# KiCad board FrontEnd_5G.kicad_pcb (continued)
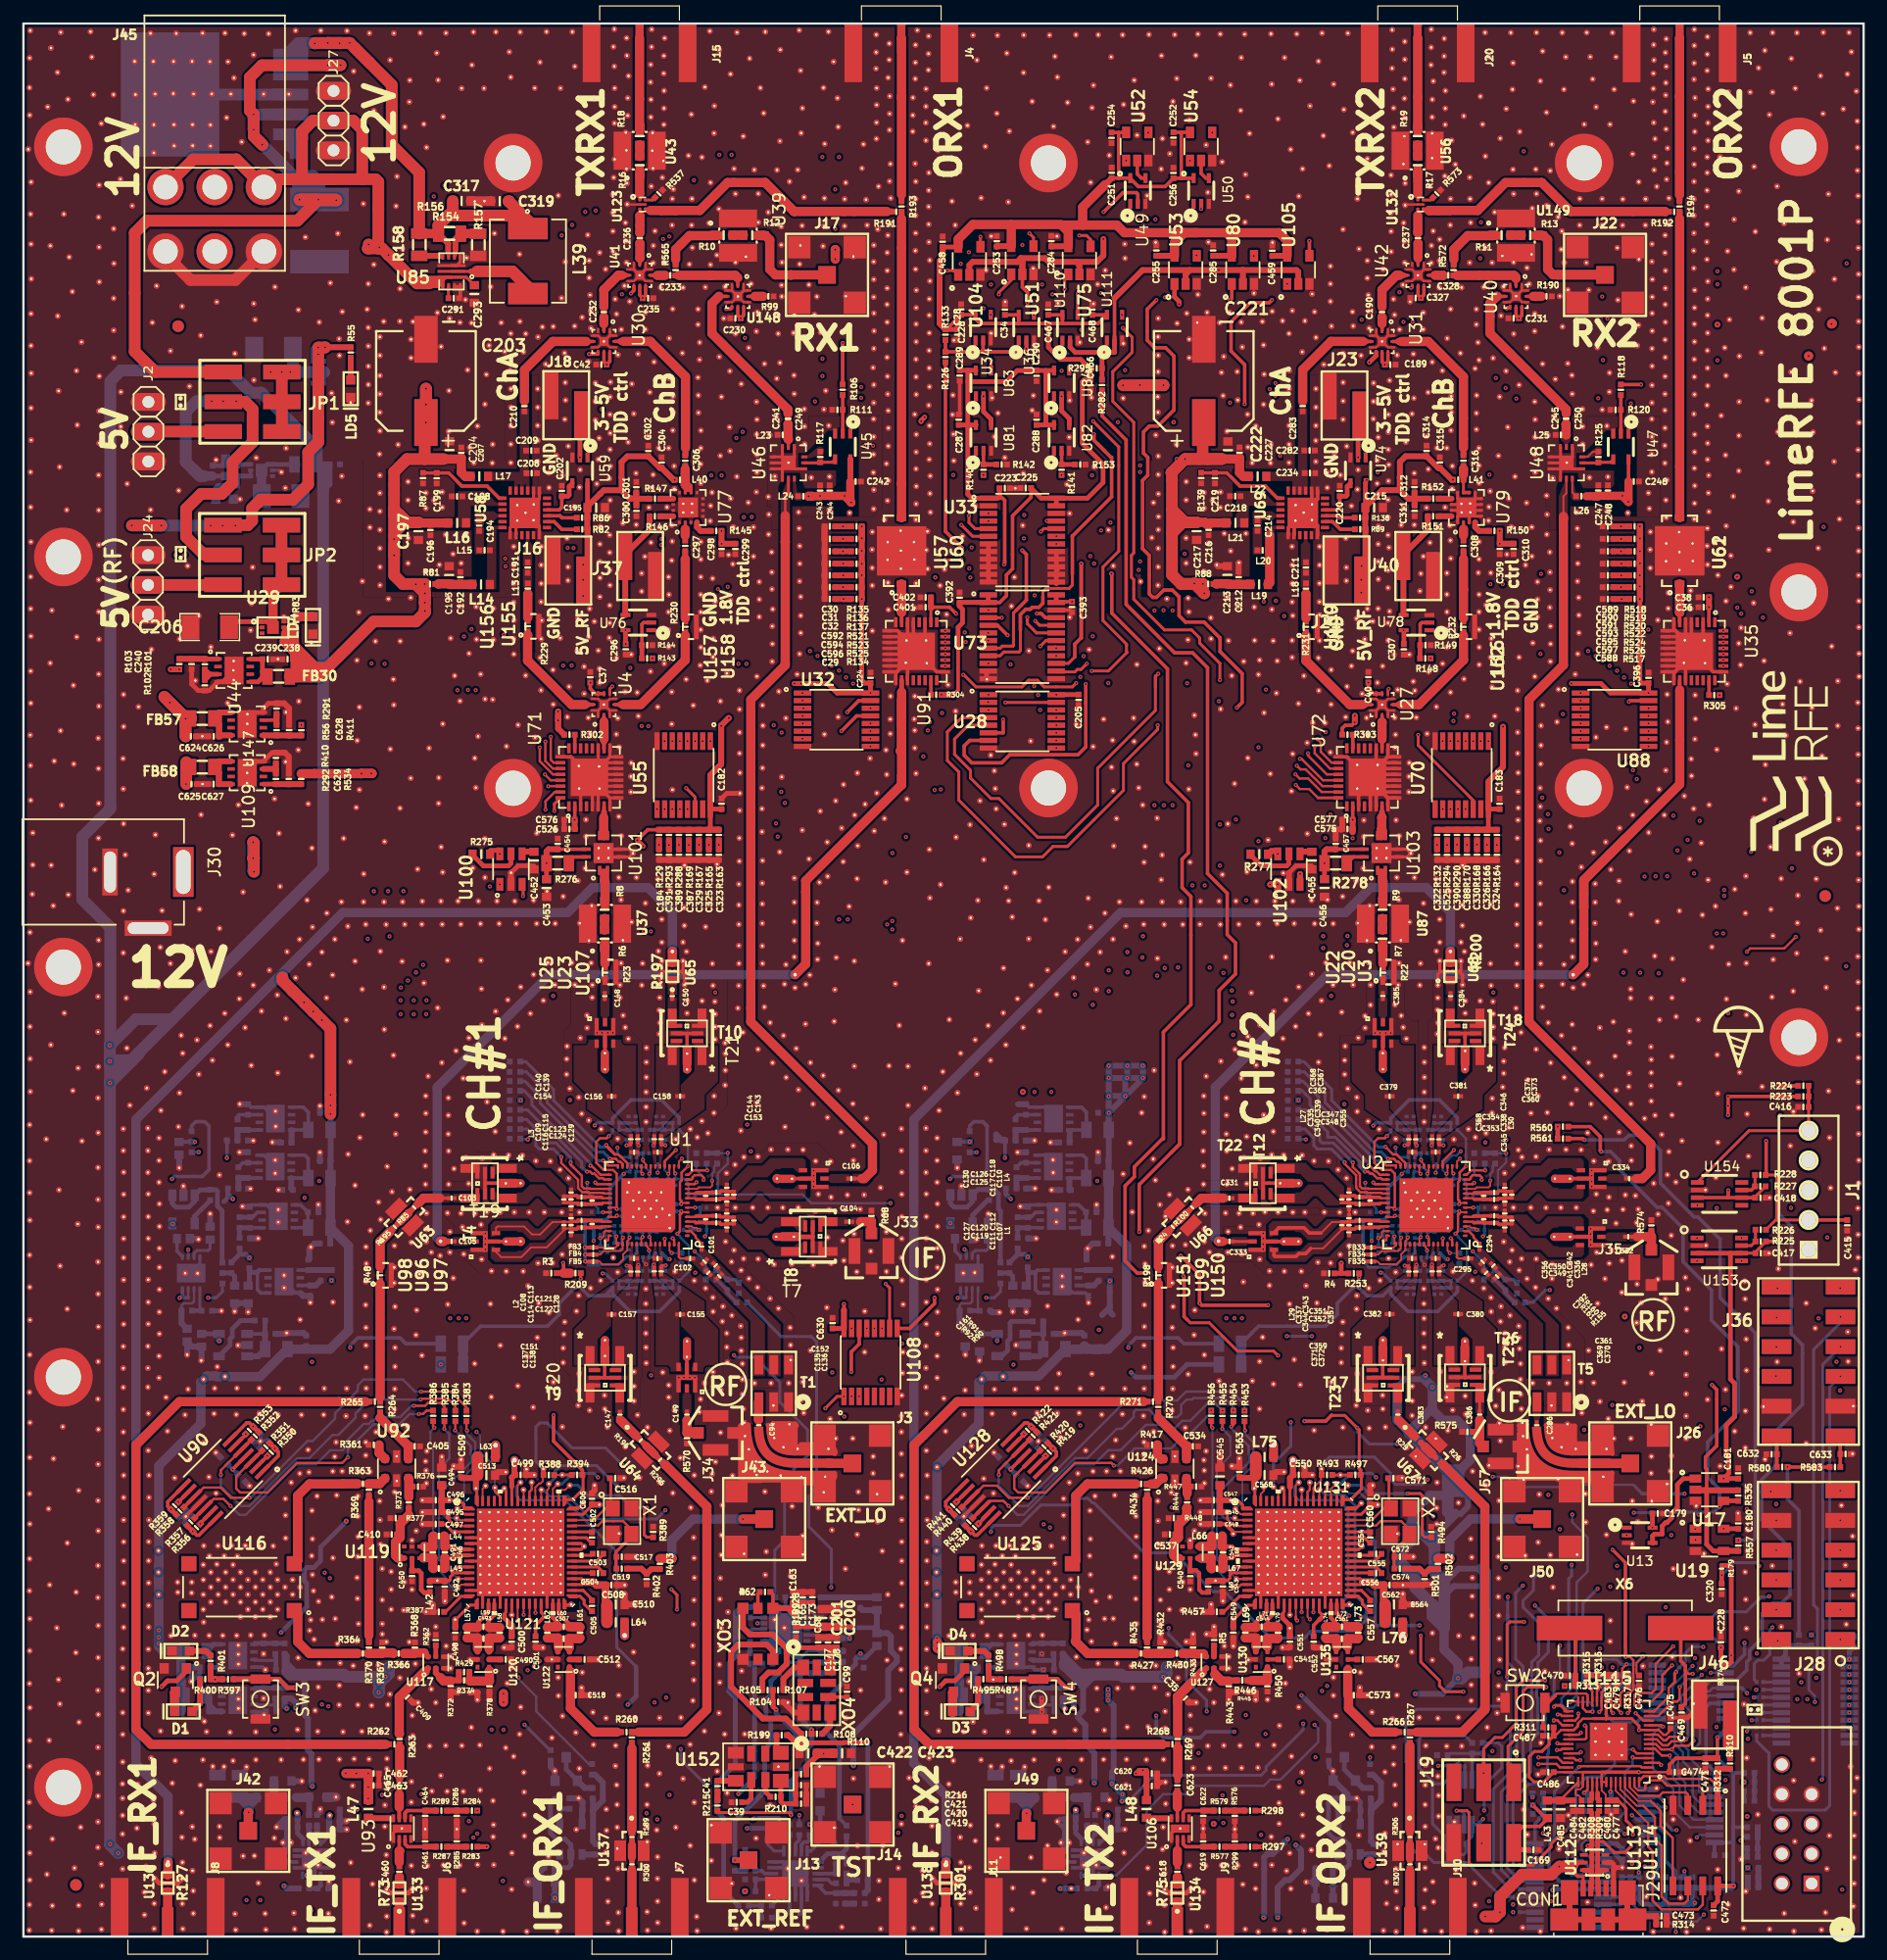
[diagram p0: board, top side]
## Placement (name value [footprint] x y rotation side) (continued)
C321  10nF_0402  [SMD0402]  129.34 10.46 180 bottom
C322  10nF_0402  [SMD0402]  120.71 92.33 90 top
C323  10nF_0402  [SMD0402]  59.38 92.32 90 top
C324  10nF_0402  [SMD0402]  125.82 92.32 90 top
C325  10nF_0402  [SMD0402]  58.53 92.33 90 top
C326  10nF_0402  [SMD0402]  124.97 92.33 90 top
C327  10nF_0402  [SMD0402]  118.88 139.84 0 top
C328  5pF_0402_CBR04C509C5GAC  [SMD0402]  121.67 141.77 180 top
C329  10nF_0402  [SMD0402]  57.68 92.33 90 top
C330  10nF_0402  [SMD0402]  124.12 92.33 90 top
C331  10pF_0201_GJM0335C1E100JB01D  [SMD0201]  102.98 63.02 0 top
C332  2.3pF_0201_GJM0335C1E2R3BB01D  [SMD0201]  137.03 59.73 180 top
C333  2.3pF_0201_GJM0335C1E2R3BB01D  [SMD0201]  103 59.33 0 top
C334  2.3pF_0201_GJM0335C1E2R3BB01D  [SMD0201]  137.11 64.69 180 top
C335  C_NF  [SMD0201]  113.19 62.91 270 top
C336  C  [SMD0201]  126.49 61.11 90 top
C337  C_NF  [SMD0201]  113.19 60.71 270 top
C338  C_NF  [SMD0201]  126.49 63.31 90 top
C339  C_NF  [SMD0201]  113.19 63.51 270 top
C340  C_NF  [SMD0201]  113.19 62.31 270 top
C341  0.9pF_0201_GJM0335C1ER90BB01D  [SMD0201]  126.49 60.51 90 top
C342  0.9pF_0201_GJM0335C1ER90BB01D  [SMD0201]  126.49 61.71 90 top
C343  0.9pF_0201_GJM0335C1ER90BB01D  [SMD0201]  113.19 61.31 270 top
C344  0.9pF_0201_GJM0335C1ER90BB01D  [SMD0201]  113.19 60.1 270 top
C345  0.9pF_0201_GJM0335C1ER90BB01D  [SMD0201]  126.49 62.71 90 top
C346  0.9pF_0201_GJM0335C1ER90BB01D  [SMD0201]  126.49 63.91 90 top
C347  2.3pF_0201_GJM0335C1E2R3BB01D  [SMD0201]  114.08 63.11 0 top
C348  2.3pF_0201_GJM0335C1E2R3BB01D  [SMD0201]  114.09 62.51 0 top
C349  0.5pF_0201_GJM0335C1ER50BB01D  [SMD0201]  125.59 60.91 180 top
C350  0.5pF_0201_GJM0335C1ER50BB01D  [SMD0201]  125.59 61.51 180 top
C351  0.5pF_0201_GJM0335C1ER50BB01D  [SMD0201]  114.09 61.11 0 top
C352  0.5pF_0201_GJM0335C1ER50BB01D  [SMD0201]  114.09 60.51 0 top
C353  0.5pF_0201_GJM0335C1ER50BB01D  [SMD0201]  125.59 62.91 180 top
C354  0.5pF_0201_GJM0335C1ER50BB01D  [SMD0201]  125.59 63.51 180 top
C355  0.6pF_0201_GJM0335C1ER60BB01D  [SMD0201]  114.99 62.81 270 top
C356  C_NF  [SMD0201]  124.69 61.21 90 top
C357  C_NF  [SMD0201]  114.99 60.81 270 top
C358  C_NF  [SMD0201]  124.69 63.21 90 top
C359  C_NF  [SMD0201]  118.58 57.87 0 top
C360  C_NF  [SMD0201]  120.59 66.95 180 top
C361  C_NF  [SMD0201]  120.59 57.87 0 top
C362  C_NF  [SMD0201]  118.59 66.95 180 top
C363  1UF_0201_TDK_X5R  [SMD0201]  120.48 55.09 270 bottom
C364  1UF_0201_TDK_X5R  [SMD0201]  120.47 69.71 90 bottom
C365  1UF_0201_TDK_X5R  [SMD0201]  118.71 69.71 90 bottom
C366  1UF_0201_TDK_X5R  [SMD0201]  118.73 55.09 270 bottom
C367  10pF_0201_GJM0335C1E100JB01D  [SMD0201]  118.88 68.04 90 top
C368  10pF_0201_GJM0335C1E100JB01D  [SMD0201]  118.3 68.04 90 top
C369  10pF_0201_GJM0335C1E100JB01D  [SMD0201]  120.29 56.77 270 top
C370  10pF_0201_GJM0335C1E100JB01D  [SMD0201]  120.88 56.77 270 top
C371  10pF_0201_GJM0335C1E100JB01D  [SMD0201]  118.3 56.75 270 top
C372  10pF_0201_GJM0335C1E100JB01D  [SMD0201]  118.88 56.75 270 top
C373  10pF_0201_GJM0335C1E100JB01D  [SMD0201]  120.87 68.04 90 top
C374  10pF_0201_GJM0335C1E100JB01D  [SMD0201]  120.28 68.05 90 top
C375  1NF_0201  [SMD0201]  121.08 55.1 270 bottom
C376  1NF_0201  [SMD0201]  121.07 69.71 90 bottom
C377  1NF_0201  [SMD0201]  118.11 69.71 90 bottom
C378  1NF_0201  [SMD0201]  118.13 55.09 270 bottom
C379  1.9nH_0201_LQP03TN1N9B02D  [SMD0201]  116.66 71.71 180 top
C380  C_NF  [SMD0201]  122.51 53.12 0 top
C381  C_NF  [SMD0201]  122.51 71.71 180 top
C382  C_NF  [SMD0201]  116.66 53.12 0 top
C383  10pF_0201_GJM0335C1E100JB01D  [SMD0201]  117.36 44.54 270 top
C384  10pF_0201_GJM0335C1E100JB01D  [SMD0201]  121.86 80.26 90 top
C385  10pF_0201_GJM0335C1E100JB01D  [SMD0201]  116.08 80.27 90 top
C386  10pF_0201_GJM0335C1E100JB01D  [SMD0201]  124.35 44.55 270 top
C387  10nF_0402  [SMD0402]  56.82 92.33 90 top
C388  10nF_0402  [SMD0402]  123.26 92.33 90 top
C389  10nF_0402  [SMD0402]  55.97 92.33 90 top
C390  10nF_0402  [SMD0402]  122.41 92.33 90 top
C391  10nF_0402  [SMD0402]  55.12 92.32 90 top
C392  10nF_0402  [SMD0402]  79.94 114.26 90 top
C393  10nF_0402  [SMD0402]  89.54 113.47 270 top
C394  4.7UF_0402  [SMD0402]  86.95 20.77 270 bottom
C395  4.7UF_0402  [SMD0402]  86.95 24.57 270 bottom
C396  10nF_0402  [SMD0402]  138.77 107.42 90 top
C397  1nF_0402_GRM1555C1H102JA01D  [SMD0402]  18.63 39.12 135 bottom
C398  1nF_0402_GRM1555C1H102JA01D  [SMD0402]  17.14 40.6 315 bottom
C399  NF_10pF_0402_GJM1555C1H100GB01D  [SMD0402]  21.16 41.98 315 bottom
C400  NF_10pF_0402_GJM1555C1H100GB01D  [SMD0402]  19.93 43.21 135 bottom
C401  470pF_0402_GRM1555C1H471JA01D  [SMD0402]  77.04 113.45 180 top
C402  47nF_0402_GCM155R71H473KE02D  [SMD0402]  77.04 114.29 180 top
C403  NF_10pF_0402_GJM1555C1H100GB01D  [SMD0402]  14.15 34.91 315 bottom
C404  NF_10pF_0402_GJM1555C1H100GB01D  [SMD0402]  12.91 36.14 135 bottom
C405  NF_10pF_0402_GJM1555C1H100GB01D  [SMD0402]  33.41 41.84 180 top
C406  NF_1uF_0603_GRM188R61A105KA61D  [SMD0603]  44.63 3.28 0 bottom
C407  NF_2.2uF_0603_GRM188R71A225KE15J  [SMD0603]  44.63 4.64 0 bottom
C408  NF_1nF_0402_GRM1555C1H102JA01D  [SMD0402]  44.92 5.88 0 bottom
C409  NF_10pF_0402_GJM1555C1H100GB01D  [SMD0402]  32.79 20.44 135 top
C410  NF_10pF_0402_GJM1555C1H100GB01D  [SMD0402]  31.45 34.32 180 top
C411  NF_1nF_0402_GRM1555C1H102JA01D  [SMD0402]  48.19 10.77 0 bottom
C412  1UF_0402  [SMD0402]  15.41 19.22 180 bottom
C413  4.7UF_0402  [SMD0402]  20.51 20.77 270 bottom
C414  4.7UF_0402  [SMD0402]  20.51 24.57 270 bottom
C415  100nF_0402_GRM155R71C104KA88J  [SMD0402]  155.73 60.7 270 top
C416  100nF_0402_GRM155R71C104KA88J  [SMD0402]  151.99 70.8 180 top
C417  10nF_0402  [SMD0402]  148.35 58.33 0 top
C418  10nF_0402  [SMD0402]  148.32 63.06 0 top
C419  1NF_0402  [SMD0402]  66.4 11.34 0 top
C420  10NF_0402  [SMD0402]  66.4 12.14 180 top
C421  100NF_0402  [SMD0402]  66.4 12.93 180 top
C422  10UF_0603  [SMD0603]  67.01 15.63 180 top
C423  10UF_0603  [SMD0603]  69.91 15.64 0 top
C424  10nF_0402  [SMD0402]  122.76 7.88 180 bottom
C425  10nF_0402  [SMD0402]  121.16 15.47 180 bottom
C447  1UF_0402  [SMD0402]  92.19 59.15 180 bottom
C448  1UF_0402  [SMD0402]  92.2 66.19 180 bottom
C449  1UF_0402  [SMD0402]  92.22 70.3 180 bottom
C450  15pF_0402_GJM1555C1H150JB01D  [SMD0402]  33.18 30.77 270 top
C451  1UF_0402  [SMD0402]  91.18 61.83 0 bottom
C452  1nF_0603_06035C102KAT2A  [SMD0603]  43.59 91.83 270 top
C453  NF_100nF_0603_C0603C104M5RACTU  [SMD0603]  44.67 89.48 90 top
C454  1000pF_0402_GCM155R71H102KA37D  [SMD0402]  45.62 93.25 270 top
C455  1nF_0603_06035C102KAT2A  [SMD0603]  110.02 91.83 270 top
C456  NF_100nF_0603_C0603C104M5RACTU  [SMD0603]  111.1 89.49 90 top
C457  1000pF_0402_GCM155R71H102KA37D  [SMD0402]  112.05 93.25 270 top
C458  10nF_0402  [SMD0402]  78.49 144.64 270 top
C459  10nF_0402  [SMD0402]  106.64 143.87 270 top
C460  100pF_0402_ECJ-0EC1H101J  [SMD0402]  32.1 5.53 270 top
C461  100pF_0402_ECJ-0EC1H101J  [SMD0402]  34.3 8.12 90 top
C462  1uF_0402_CC0402ZRY5V5BB105  [SMD0402]  29.9 13.92 180 top
C463  1000pF_0402_GCM155R71H102KA37D  [SMD0402]  29.9 12.89 180 top
C464  100pF_0402_ECJ-0EC1H101J  [SMD0402]  34.3 10.3 90 top
C465  27pF_0402_GCM1555C1H270FA16D  [SMD0402]  32.09 12.9 270 top
C466  10nF_0402  [SMD0402]  91.12 132.4 90 top
C467  10nF_0402  [SMD0402]  87.51 138.85 270 top
C468  10nF_0402  [SMD0402]  91.27 138.85 270 top
C469  27pF_0402_GCM1555C1H270FA16D  [SMD0402]  141.58 19.12 270 top
C470  27pF_0402_GCM1555C1H270FA16D  [SMD0402]  132.06 22.27 180 top
C471  100nF_0402_GRM155R71C104KA88J  [SMD0402]  143.6 14.77 270 top
C472  100nF_0402_GRM155R71C104KA88J  [SMD0402]  144.33 2.23 270 top
C473  3.9nF_0402_04025C392JAT2A  [SMD0402]  139.87 1.75 0 top
C474  100nF_0402_GRM155R71C104KA88J  [SMD0402]  141.01 14.03 0 top
C475  100nF_0402_GRM155R71C104KA88J  [SMD0402]  140.64 18.23 90 top
C476  100nF_0402_GRM155R71C104KA88J  [SMD0402]  137.95 21.83 270 top
C477  100nF_0402_GRM155R71C104KA88J  [SMD0402]  136 11.16 270 top
C478  100nF_0402_GRM155R71C104KA88J  [SMD0402]  135.56 11.16 90 bottom
C479  100nF_0402_GRM155R71C104KA88J  [SMD0402]  136.03 21.87 270 top
C480  100nF_0402_GRM155R71C104KA88J  [SMD0402]  135.27 11.16 270 top
C481  1uF_0402_CC0402ZRY5V5BB105  [SMD0402]  133.56 11.16 90 bottom
C482  1uF_0402_CC0402ZRY5V5BB105  [SMD0402]  133.05 11.16 270 top
C483  100nF_0402_GRM155R71C104KA88J  [SMD0402]  135.32 21.87 270 top
C484  100nF_0402_GRM155R71C104KA88J  [SMD0402]  132.32 11.16 90 top
C485  10uF_0603_GRM188R61E106KA73J  [SMD0603]  131.25 10.86 90 top
C486  100nF_0402_GRM155R71C104KA88J  [SMD0402]  130.21 14.03 180 top
C487  100nF_0402_GRM155R71C104KA88J  [SMD0402]  130.21 17.13 180 top
C488  1UF_0402  [SMD0402]  89 63.71 180 bottom
C489  1UF_0402  [SMD0402]  88.88 67.77 180 bottom
C490  15pF_0402_GJM1555C1H150JB01D  [SMD0402]  41.18 23.65 0 top
C491  0.2pF_0402_GJM1555C1HR20BB01D  [SMD0402]  34.96 32.79 270 top
C492  1nF_0402_GRM1555C1H102JA01D  [SMD0402]  35.97 29.87 270 top
C493  0.9pF_0402_GJM1555C1HR90BB01D  [SMD0402]  39.28 25.43 0 top
C494  2.2uF_0603_GRM188R71A225KE15J  [SMD0603]  35.72 39.27 270 top
C495  1nF_0402_GRM1555C1H102JA01D  [SMD0402]  35.21 36.22 180 top
C496  1nF_0402_GRM1555C1H102JA01D  [SMD0402]  35.21 37.24 0 top
C497  1nF_0402_GRM1555C1H102JA01D  [SMD0402]  35.21 35.21 180 top
C498  1nF_0402_GRM1555C1H102JA01D  [SMD0402]  36.87 25.93 270 top
C499  1nF_0402_GRM1555C1H102JA01D  [SMD0402]  42.45 39.4 180 top
C500  1nF_0402_GRM1555C1H102JA01D  [SMD0402]  41.69 25.17 270 top
C501  1nF_0402_GRM1555C1H102JA01D  [SMD0402]  43.73 25.17 270 top
C502  1nF_0402_GRM1555C1H102JA01D  [SMD0402]  48.55 34.06 270 top
C503  1nF_0402_GRM1555C1H102JA01D  [SMD0402]  49.06 32.67 0 top
C504  1nF_0402_GRM1555C1H102JA01D  [SMD0402]  49.06 31.02 180 top
C505  1nF_0402_GRM1555C1H102JA01D  [SMD0402]  48.55 28.22 270 top
C506  1nF_0402_GRM1555C1H102JA01D  [SMD0402]  48.55 37.36 270 top
C507  0.5pF_0402_GJM1555C1HR50BB01D  [SMD0402]  46.13 25.43 180 top
C508  1nF_0402_GRM1555C1H102JA01D  [SMD0402]  50.2 30 180 top
C509  1nF_0402_GRM1555C1H102JA01D  [SMD0402]  37.37 39.65 270 top
C510  2.2uF_0603_GRM188R71A225KE15J  [SMD0603]  50.58 28.34 180 top
C511  NF_47nF_0402_GCM155R71H473KE02D  [SMD0402]  22.85 11.87 0 bottom
C512  15pF_0402_GJM1555C1H150JB01D  [SMD0402]  47.91 23.65 180 top
C513  2.2uF_0603_GRM188R71A225KE15J  [SMD0603]  39.53 39.38 180 top
C514  NF_47nF_0402_GCM155R71H473KE02D  [SMD0402]  24.39 9.93 270 bottom
C515  NF_47nF_0402_GCM155R71H473KE02D  [SMD0402]  25.07 9.93 270 bottom
C516  10pF_0402_GJM1555C1H100GB01D  [SMD0402]  50.53 39.12 0 top
C517  10pF_0402_GJM1555C1H100GB01D  [SMD0402]  51.09 32.41 0 top
C518  NF_10pF_0402_GJM1555C1H100GB01D  [SMD0402]  47.16 20.6 180 top
C519  NF_10pF_0402_GJM1555C1H100GB01D  [SMD0402]  51.09 31.4 180 top
C520  NF_100nF_0402_GRM155R71C104KA88J  [SMD0402]  22.96 10.02 180 bottom
C521  NF_100nF_0402_GRM155R71C104KA88J  [SMD0402]  26.55 9.83 180 bottom
C522  NF_100pF_0402_GRM1555C1H101JA01D  [SMD0402]  22.96 9.32 180 bottom
C523  NF_100pF_0402_GRM1555C1H101JA01D  [SMD0402]  26.55 9.14 180 bottom
C524  NF_1nF_0402_GRM1555C1H102JA01D  [SMD0402]  22.41 6.83 270 bottom
C525  10nF_0402  [SMD0402]  121.56 92.32 90 top
C526  47nF_0402_GCM155R71H473KE02D  [SMD0402]  46.63 94.52 180 top
C527  1nF_0402_GRM1555C1H102JA01D  [SMD0402]  83.58 40.61 315 bottom
C528  NF_1uF_0603_GRM188R61A105KA61D  [SMD0603]  111.07 3.28 0 bottom
C529  1nF_0402_GRM1555C1H102JA01D  [SMD0402]  85.07 39.13 135 bottom
C530  NF_2.2uF_0603_GRM188R71A225KE15J  [SMD0603]  111.07 4.65 0 bottom
C531  NF_10pF_0402_GJM1555C1H100GB01D  [SMD0402]  87.6 41.97 315 bottom
C532  NF_10pF_0402_GJM1555C1H100GB01D  [SMD0402]  86.38 43.21 135 bottom
C533  NF_1nF_0402_GRM1555C1H102JA01D  [SMD0402]  111.36 5.88 0 bottom
C534  NF_10pF_0402_GJM1555C1H100GB01D  [SMD0402]  99.86 41.84 180 top
C535  4.7UF_0402  [SMD0402]  85.79 60.04 270 bottom
C536  NF_1nF_0402_GRM1555C1H102JA01D  [SMD0402]  114.62 10.77 0 bottom
C537  NF_10pF_0402_GJM1555C1H100GB01D  [SMD0402]  97.9 34.32 180 top
C538  NF_10pF_0402_GJM1555C1H100GB01D  [SMD0402]  80.59 34.91 315 bottom
C539  NF_10pF_0402_GJM1555C1H100GB01D  [SMD0402]  79.35 36.14 135 bottom
C540  15pF_0402_GJM1555C1H150JB01D  [SMD0402]  99.63 30.76 270 top
C541  15pF_0402_GJM1555C1H150JB01D  [SMD0402]  107.63 23.65 0 top
C542  0.2pF_0402_GJM1555C1HR20BB01D  [SMD0402]  101.41 32.79 270 top
C543  1nF_0402_GRM1555C1H102JA01D  [SMD0402]  102.42 29.88 270 top
C544  0.9pF_0402_GJM1555C1HR90BB01D  [SMD0402]  105.73 25.43 0 top
C545  2.2uF_0603_GRM188R71A225KE15J  [SMD0603]  102.17 39.27 270 top
C546  1nF_0402_GRM1555C1H102JA01D  [SMD0402]  101.67 36.22 180 top
C547  1nF_0402_GRM1555C1H102JA01D  [SMD0402]  101.66 37.24 0 top
C548  1nF_0402_GRM1555C1H102JA01D  [SMD0402]  101.66 35.21 180 top
C549  1nF_0402_GRM1555C1H102JA01D  [SMD0402]  103.31 25.94 270 top
C550  1nF_0402_GRM1555C1H102JA01D  [SMD0402]  108.9 39.4 180 top
C551  1nF_0402_GRM1555C1H102JA01D  [SMD0402]  108.14 25.17 270 top
C552  1nF_0402_GRM1555C1H102JA01D  [SMD0402]  110.17 25.17 270 top
C553  NF_47nF_0402_GCM155R71H473KE02D  [SMD0402]  89.29 11.87 0 bottom
C554  1nF_0402_GRM1555C1H102JA01D  [SMD0402]  115 34.06 270 top
C555  1nF_0402_GRM1555C1H102JA01D  [SMD0402]  115.51 32.66 0 top
C556  1nF_0402_GRM1555C1H102JA01D  [SMD0402]  115.51 31.02 180 top
C557  1nF_0402_GRM1555C1H102JA01D  [SMD0402]  115 28.22 270 top
C558  NF_47nF_0402_GCM155R71H473KE02D  [SMD0402]  90.83 9.93 270 bottom
C559  NF_47nF_0402_GCM155R71H473KE02D  [SMD0402]  91.51 9.93 270 bottom
C560  1nF_0402_GRM1555C1H102JA01D  [SMD0402]  115 37.36 270 top
C561  0.5pF_0402_GJM1555C1HR50BB01D  [SMD0402]  112.58 25.42 180 top
C562  1nF_0402_GRM1555C1H102JA01D  [SMD0402]  116.65 30 180 top
C563  1nF_0402_GRM1555C1H102JA01D  [SMD0402]  103.83 39.65 270 top
C564  2.2uF_0603_GRM188R71A225KE15J  [SMD0603]  117.03 28.34 180 top
C565  NF_100nF_0402_GRM155R71C104KA88J  [SMD0402]  89.4 10.02 180 bottom
C566  NF_100nF_0402_GRM155R71C104KA88J  [SMD0402]  92.99 9.83 180 bottom
C567  15pF_0402_GJM1555C1H150JB01D  [SMD0402]  114.36 23.65 180 top
C568  2.2uF_0603_GRM188R71A225KE15J  [SMD0603]  105.98 39.39 180 top
C569  NF_100pF_0402_GRM1555C1H101JA01D  [SMD0402]  89.4 9.32 180 bottom
C570  NF_100pF_0402_GRM1555C1H101JA01D  [SMD0402]  92.99 9.14 180 bottom
C571  10pF_0402_GJM1555C1H100GB01D  [SMD0402]  116.98 39.12 0 top
C572  10pF_0402_GJM1555C1H100GB01D  [SMD0402]  117.54 32.41 0 top
C573  NF_10pF_0402_GJM1555C1H100GB01D  [SMD0402]  113.6 20.6 180 top
C574  NF_10pF_0402_GJM1555C1H100GB01D  [SMD0402]  117.53 31.4 180 top
C575  47nF_0402_GCM155R71H473KE02D  [SMD0402]  113.06 94.52 180 top
C576  470pF_0402_GRM1555C1H471JA01D  [SMD0402]  46.62 95.31 180 top
C577  470pF_0402_GRM1555C1H471JA01D  [SMD0402]  113.05 95.31 180 top
C582  NF_1nF_0402_GRM1555C1H102JA01D  [SMD0402]  88.85 6.82 270 bottom
C588  10nF_0402  [SMD0402]  135.3 114.15 0 top
C589  10nF_0402  [SMD0402]  135.3 120.35 0 top
C590  10nF_0402  [SMD0402]  135.3 119.28 0 top
C591  10nF_0402  [SMD0402]  135.3 118.22 0 top
C592  10nF_0402  [SMD0402]  68.86 117.17 0 top
C593  10nF_0402  [SMD0402]  135.3 117.17 0 top
C594  10nF_0402  [SMD0402]  68.86 116.17 0 top
C595  10nF_0402  [SMD0402]  135.3 116.17 0 top
C596  10nF_0402  [SMD0402]  68.86 115.16 0 top
C597  10nF_0402  [SMD0402]  135.3 115.16 0 top
C602  1nF_0402  [SMD0402]  134.94 21.84 90 bottom
C603  10nF_0402  [SMD0402]  135.65 21.84 90 bottom
C604  1nF_0402  [SMD0402]  137.22 21.83 90 bottom
C605  10nF_0402  [SMD0402]  136.49 21.83 90 bottom
C606  4.7UF_0402  [SMD0402]  85.62 64.29 270 bottom
C607  4.7UF_0402  [SMD0402]  85.6 68.39 270 bottom
C608  10UF_0603  [SMD0603]  84.48 54.8 270 bottom
C609  1UF_0402  [SMD0402]  90.59 50.85 90 bottom
C610  1UF_0603  [SMD0603]  80.42 51.11 90 bottom
C611  10UF_0603  [SMD0603]  85.63 54.8 270 bottom
C612  1UF_0402  [SMD0402]  87.53 51.43 0 bottom
C613  10UF_0603  [SMD0603]  80.3 59.57 0 bottom
C614  10UF_0603  [SMD0603]  81.65 50.69 270 bottom
C615  4.7UF_0402  [SMD0402]  90.77 57.33 90 bottom
C616  1UF_0603  [SMD0603]  82.39 60.23 270 bottom
C617  10UF_0603  [SMD0603]  79.73 67.07 270 bottom
C618  100pF_0402_ECJ-0EC1H101J  [SMD0402]  98.54 5.53 270 top
C619  100pF_0402_ECJ-0EC1H101J  [SMD0402]  100.74 8.12 90 top
C620  1uF_0402_CC0402ZRY5V5BB105  [SMD0402]  96.35 13.92 180 top
C621  1000pF_0402_GCM155R71H102KA37D  [SMD0402]  96.35 12.85 180 top
C622  100pF_0402_ECJ-0EC1H101J  [SMD0402]  100.74 10.3 90 top
C623  27pF_0402_GCM1555C1H270FA16D  [SMD0402]  98.53 12.9 270 top
C624  1UF_0402  [SMD0402]  14.3 102.43 0 top
C625  1UF_0402  [SMD0402]  14.35 98.35 0 top
C626  1UF_0402  [SMD0402]  16.26 102.43 180 top
C627  1UF_0402  [SMD0402]  16.24 98.35 180 top
C628  4.7UF_0402  [SMD0402]  22.69 102.96 90 top
C629  4.7UF_0402  [SMD0402]  22.66 98.79 90 top
C630  10nF_0402  [SMD0402]  69.09 52.35 90 top
C631  10nF_0402  [SMD0402]  156.28 25.14 90 bottom
C632  1uF_0402  [SMD0402]  149.28 41.16 180 top
C633  1uF_0402  [SMD0402]  155.59 41.18 0 top
C634  10nF_0402  [SMD0402]  150.47 25.29 90 bottom
CON1  47346-0001  [USB-MINI-B]  134.48 1.45 0 top
D1  LED0603_GREEN  [LED_0603]  13.65 19.21 180 top
D2  LED0603_GREEN  [LED_0603]  13.44 24.37 180 top
D3  LED0603_GREEN  [LED_0603]  80.09 19.21 180 top
D4  LED0603_GREEN  [LED_0603]  79.89 24.37 180 top
FB1  FB_0201  [SMD0201]  48.98 59.89 0 bottom
FB2  FB_0201  [SMD0201]  48.98 60.48 0 bottom
FB3  FB_0201  [SMD0201]  48.66 58.81 0 top
FB4  FB_0201  [SMD0201]  48.66 58.2 0 top
FB5  FB_0201  [SMD0201]  48.66 57.61 0 top
FB6  FB_0201  [SMD0201]  54.47 65.88 0 bottom
FB7  FB_0201  [SMD0201]  58.06 60.31 180 bottom
FB8  FB_0201  [SMD0201]  54.27 58.29 0 bottom
FB9  FB_0201  [SMD0201]  53.31 59.08 180 bottom
FB10  FB_0201  [SMD0201]  52.37 59.35 270 bottom
FB11  FB_0201  [SMD0201]  57.76 61.31 270 bottom
FB12  FB_0201  [SMD0201]  48.56 62.92 90 bottom
FB13  FB_0201  [SMD0201]  52.05 66.52 180 bottom
FB14  FB_0201  [SMD0201]  52.06 65.88 180 bottom
FB15  FB_0201  [SMD0201]  52.06 65.29 180 bottom
FB16  FB_600R_0805_MPZ2012S601AT000  [SMD0805]  24.1 125.64 180 bottom
FB17  FB_60R_0805  [SMD0805]  81.15 24.37 0 bottom
FB18  FB_60R_0805  [SMD0805]  25.28 68.84 180 bottom
FB19  FB_60R_0805  [SMD0805]  25.27 64.74 180 bottom
FB20  FB_60R_0805  [SMD0805]  25.26 60.5 180 bottom
FB21  FB_60R_0805  [SMD0805]  21.59 50.13 180 bottom
FB22  FB_600R_0402  [SMD0402]  62.06 3.87 180 bottom
FB23  FB_60R_0805  [SMD0805]  81.15 20.57 0 bottom
FB24  FB_60R_0805  [SMD0805]  14.71 24.37 0 bottom
FB25  FB_0201  [SMD0201]  55.73 55.36 180 bottom
FB26  FB_0201  [SMD0201]  55.72 69.44 180 bottom
FB27  FB_0201  [SMD0201]  50.59 69.45 0 bottom
FB28  FB_0201  [SMD0201]  50.59 55.36 0 bottom
FB29  BLM18EG601SN1D  [SMD0603_gap04]  72.88 25.35 90 bottom
FB30  FB_60R_0805  [SMD0805]  21.79 107.53 180 top
FB31  FB_0201  [SMD0201]  115.42 59.89 0 bottom
FB32  FB_0201  [SMD0201]  115.42 60.48 0 bottom
FB33  FB_0201  [SMD0201]  115.09 58.81 0 top
FB34  FB_0201  [SMD0201]  115.09 58.2 0 top
FB35  FB_0201  [SMD0201]  115.09 57.61 0 top
FB36  FB_0201  [SMD0201]  120.91 65.88 0 bottom
FB37  FB_0201  [SMD0201]  124.5 60.31 180 bottom
FB38  FB_0201  [SMD0201]  120.71 58.29 0 bottom
FB39  FB_0201  [SMD0201]  119.72 59.08 180 bottom
FB40  FB_0201  [SMD0201]  118.81 59.35 270 bottom
FB41  FB_0201  [SMD0201]  124.2 61.31 270 bottom
FB42  FB_0201  [SMD0201]  115 62.92 90 bottom
FB43  FB_0201  [SMD0201]  118.49 66.52 180 bottom
FB44  FB_0201  [SMD0201]  118.5 65.88 180 bottom
FB45  FB_0201  [SMD0201]  118.5 65.29 180 bottom
FB46  FB_60R_0805  [SMD0805]  14.71 20.57 0 bottom
FB48  FB_0201  [SMD0201]  122.17 55.36 180 bottom
FB49  FB_0201  [SMD0201]  122.16 69.44 180 bottom
FB50  FB_0201  [SMD0201]  117.03 69.45 0 bottom
FB51  FB_0201  [SMD0201]  117.03 55.36 0 bottom
FB53  FB_60R_0805  [SMD0805]  91.7 60.5 180 bottom
FB54  FB_60R_0805  [SMD0805]  91.71 64.74 180 bottom
FB55  FB_60R_0805  [SMD0805]  91.72 68.84 180 bottom
FB56  FB_60R_0805  [SMD0805]  88.03 50.13 180 bottom
FB57  FB_60R_0805  [SMD0805]  15.27 103.96 0 top
FB58  FB_60R_0805  [SMD0805]  15.27 99.81 0 top
G***  LOGO  [LimeRFE_Logo]  151.4 99.67 90 top
G***#2  LOGO  [LimeSimbol]  152.05 134.65 270 bottom
GND_VIA  VAL**  [GND_VIA]  52.06 61.41 0 top
GND_VIA#2  VAL**  [GND_VIA#2]  42.36 64.81 0 top
GND_VIA#3  VAL**  [GND_VIA]  54.56 62.11 0 top
GND_VIA#4  VAL**  [GND_VIA]  53.56 62.11 0 top
GND_VIA#5  VAL**  [GND_VIA]  53.06 62.81 0 top
GND_VIA#6  VAL**  [GND_VIA]  55.16 61.57 0 top
GND_VIA#7  VAL**  [GND_VIA]  53.56 63.51 0 top
GND_VIA#8  VAL**  [GND_VIA]  52.06 62.81 0 top
GND_VIA#9  VAL**  [GND_VIA]  52.56 62.11 0 top
GND_VIA#10  VAL**  [GND_VIA]  54.06 62.81 0 top
GND_VIA#11  VAL**  [GND_VIA]  51.7 64.35 0 top
GND_VIA#12  VAL**  [GND_VIA]  51.56 63.51 0 top
GND_VIA#13  VAL**  [GND_VIA]  52.56 63.51 0 top
GND_VIA#14  VAL**  [GND_VIA]  54.46 63.51 0 top
GND_VIA#15  VAL**  [GND_VIA]  53.06 61.41 0 top
GND_VIA#16  VAL**  [GND_VIA]  54.06 61.41 0 top
GND_VIA#17  VAL**  [GND_VIA]  55.19 60.46 0 top
GND_VIA#18  VAL**  [GND_VIA#2]  51.36 61.41 0 top
GND_VIA#19  VAL**  [GND_VIA#2]  64.27 60.81 180 top
GND_VIA#20  VAL**  [GND_VIA#3]  55.1 127.03 90 top
GND_VIA#21  VAL**  [GND_VIA#3]  57.85 128.53 90 top
GND_VIA#22  VAL**  [GND_VIA#3]  57.84 127.03 90 top
GND_VIA#23  VAL**  [GND_VIA#3]  57.83 125.67 90 top
GND_VIA#24  VAL**  [GND_VIA#3]  57.84 124.03 90 top
GND_VIA#25  VAL**  [GND_VIA#3]  57.09 121.53 90 top
GND_VIA#26  VAL**  [GND_VIA#3]  56.34 121.53 90 top
GND_VIA#27  VAL**  [GND_VIA#3]  56.34 122.28 90 top
GND_VIA#28  VAL**  [GND_VIA#3]  57.09 122.28 90 top
GND_VIA#29  VAL**  [GND_VIA#3]  52.33 120.49 90 top
GND_VIA#30  VAL**  [GND_VIA#3]  54.95 121.99 90 top
GND_VIA#31  VAL**  [GND_VIA#3]  60.34 126.78 90 top
GND_VIA#32  VAL**  [GND_VIA#3]  62.59 123.28 90 top
GND_VIA#33  VAL**  [GND_VIA#3]  62.34 120.28 90 top
GND_VIA#34  VAL**  [GND_VIA#3]  62.34 117.78 90 top
GND_VIA#35  VAL**  [GND_VIA#3]  60.22 117.92 90 top
GND_VIA#36  VAL**  [GND_VIA#3]  60.58 117.13 90 top
GND_VIA#37  VAL**  [GND_VIA#3]  57.84 119.03 90 top
GND_VIA#38  VAL**  [GND_VIA#3]  57.84 117.53 90 top
GND_VIA#39  VAL**  [GND_VIA#3]  57.84 116.03 90 top
GND_VIA#40  VAL**  [GND_VIA#3]  55.36 120.45 90 top
GND_VIA#41  VAL**  [GND_VIA#3]  55.4 119.07 90 top
GND_VIA#42  VAL**  [GND_VIA#3]  55.36 117.44 90 top
GND_VIA#43  VAL**  [GND_VIA#3]  55.09 116.03 90 top
GND_VIA#44  VAL**  [GND_VIA#3]  54.34 120.27 90 top
GND_VIA#45  VAL**  [GND_VIA#3]  53.59 118.97 90 top
GND_VIA#46  VAL**  [GND_VIA#3]  50.06 121.16 90 top
GND_VIA#47  VAL**  [GND_VIA#3]  49.26 120.33 90 top
GND_VIA#48  VAL**  [GND_VIA#3]  50.1 122.58 90 top
GND_VIA#49  VAL**  [GND_VIA#3]  53.06 117.77 90 top
GND_VIA#50  VAL**  [GND_VIA#3]  53.66 123.64 90 top
GND_VIA#51  VAL**  [GND_VIA#3]  53.77 124.76 90 top
GND_VIA#52  VAL**  [GND_VIA#3]  52.31 124.88 90 top
GND_VIA#53  VAL**  [GND_VIA#3]  54.24 127.02 90 top
GND_VIA#54  VAL**  [GND_VIA#3]  51.64 127.53 90 top
GND_VIA#55  VAL**  [GND_VIA#3]  51.18 120.61 90 top
GND_VIA#56  VAL**  [GND_VIA#3]  47.49 123.68 90 top
GND_VIA#57  VAL**  [GND_VIA#3]  145.68 138 90 top
GND_VIA#58  VAL**  [GND_VIA#3]  145.27 135.6 90 top
GND_VIA#59  VAL**  [GND_VIA#3]  124.3 124.03 90 top
GND_VIA#60  VAL**  [GND_VIA#3]  123.55 121.55 90 top
GND_VIA#61  VAL**  [GND_VIA#3]  123.54 122.3 90 top
GND_VIA#62  VAL**  [GND_VIA#3]  124.3 125.53 90 top
GND_VIA#63  VAL**  [GND_VIA#3]  124.29 127.03 90 top
GND_VIA#64  VAL**  [GND_VIA#3]  124.07 128.62 90 top
GND_VIA#65  VAL**  [GND_VIA#3]  124.07 130.01 90 top
GND_VIA#66  VAL**  [GND_VIA#3]  124.09 131.53 90 top
GND_VIA#67  VAL**  [GND_VIA#3]  123.96 133.82 90 top
GND_VIA#68  VAL**  [GND_VIA#3]  124.3 134.53 90 top
GND_VIA#69  VAL**  [GND_VIA#3]  124.07 137.57 90 top
GND_VIA#70  VAL**  [GND_VIA#3]  121.87 138.89 90 top
GND_VIA#71  VAL**  [GND_VIA#3]  120.88 140.73 90 top
GND_VIA#72  VAL**  [GND_VIA#3]  140.34 151.35 90 top
GND_VIA#73  VAL**  [GND_VIA#3]  111.61 139.55 90 top
GND_VIA#74  VAL**  [GND_VIA#3]  111.61 141.05 90 top
GND_VIA#75  VAL**  [GND_VIA#3]  111.61 142.56 90 top
GND_VIA#76  VAL**  [GND_VIA#3]  110.61 106.33 90 top
GND_VIA#77  VAL**  [GND_VIA#3]  118.74 131.29 90 top
GND_VIA#78  VAL**  [GND_VIA#3]  121.94 130.08 90 top
GND_VIA#79  VAL**  [GND_VIA#3]  121.9 128.54 90 top
GND_VIA#80  VAL**  [GND_VIA#3]  121.55 127.03 90 top
GND_VIA#81  VAL**  [GND_VIA#3]  120.7 127.03 90 top
GND_VIA#82  VAL**  [GND_VIA#3]  119.8 128.03 90 top
GND_VIA#83  VAL**  [GND_VIA#3]  118.05 127.53 90 top
GND_VIA#84  VAL**  [GND_VIA#3]  121.81 120.42 90 top
GND_VIA#85  VAL**  [GND_VIA#3]  121.85 119.15 90 top
GND_VIA#86  VAL**  [GND_VIA#3]  121.88 117.61 90 top
GND_VIA#87  VAL**  [GND_VIA#3]  121.56 116.36 90 top
GND_VIA#88  VAL**  [GND_VIA#3]  121.55 114.55 90 top
GND_VIA#89  VAL**  [GND_VIA#3]  121.55 113.05 90 top
GND_VIA#90  VAL**  [GND_VIA#3]  121.55 111.53 90 top
GND_VIA#91  VAL**  [GND_VIA#3]  121.55 110.03 90 top
GND_VIA#92  VAL**  [GND_VIA#3]  121.18 108.64 90 top
GND_VIA#93  VAL**  [GND_VIA#3]  119.99 107.94 90 top
GND_VIA#94  VAL**  [GND_VIA#3]  124.3 119.05 90 top
GND_VIA#95  VAL**  [GND_VIA#3]  124.3 117.55 90 top
GND_VIA#96  VAL**  [GND_VIA#3]  124.24 116.39 90 top
GND_VIA#97  VAL**  [GND_VIA#3]  124.3 114.53 90 top
GND_VIA#98  VAL**  [GND_VIA#3]  124.3 113.05 90 top
GND_VIA#99  VAL**  [GND_VIA#3]  124.3 111.53 90 top
GND_VIA#100  VAL**  [GND_VIA#3]  124.3 110.03 90 top
GND_VIA#101  VAL**  [GND_VIA#3]  124.3 108.55 90 top
GND_VIA#102  VAL**  [GND_VIA#3]  145.51 143.84 90 top
GND_VIA#103  VAL**  [GND_VIA#3]  124.07 138.88 90 top
GND_VIA#104  VAL**  [GND_VIA#3]  147.07 140.74 90 top
GND_VIA#105  VAL**  [GND_VIA#3]  127.05 120.3 90 top
GND_VIA#106  VAL**  [GND_VIA#3]  128.81 120.28 90 top
GND_VIA#107  VAL**  [GND_VIA#3]  119.54 117.78 90 top
GND_VIA#108  VAL**  [GND_VIA#3]  118.57 129.95 90 top
GND_VIA#109  VAL**  [GND_VIA#3]  120.38 145.55 90 top
GND_VIA#110  VAL**  [GND_VIA#3]  117.08 138.4 90 top
GND_VIA#111  VAL**  [GND_VIA#3]  118.41 139.52 90 top
GND_VIA#112  VAL**  [GND_VIA#3]  114.76 141.54 90 top
GND_VIA#113  VAL**  [GND_VIA#3]  114.76 143.03 90 top
GND_VIA#114  VAL**  [GND_VIA#3]  117.93 144.68 90 top
GND_VIA#115  VAL**  [GND_VIA#3]  130.06 122.98 90 top
GND_VIA#116  VAL**  [GND_VIA#3]  128.81 117.8 90 top
GND_VIA#117  VAL**  [GND_VIA#3]  128.27 117.05 90 top
GND_VIA#118  VAL**  [GND_VIA#3]  124.9 113.63 90 top
GND_VIA#119  VAL**  [GND_VIA#3]  125.35 110.78 90 top
GND_VIA#120  VAL**  [GND_VIA#3]  125.29 109.16 90 top
GND_VIA#121  VAL**  [GND_VIA#3]  119.33 116.31 90 top
GND_VIA#122  VAL**  [GND_VIA#3]  120.79 120.27 90 top
GND_VIA#123  VAL**  [GND_VIA#3]  119.24 114.84 90 top
GND_VIA#124  VAL**  [GND_VIA#3]  39.41 130.77 90 top
GND_VIA#125  VAL**  [GND_VIA#3]  36.05 119.64 90 top
GND_VIA#126  VAL**  [GND_VIA#3]  37.83 119.67 90 top
GND_VIA#127  VAL**  [GND_VIA#3]  103.09 118.25 90 top
GND_VIA#128  VAL**  [GND_VIA#3]  107.07 108.87 90 top
GND_VIA#129  VAL**  [GND_VIA#3]  113.83 112.48 90 top
GND_VIA#130  VAL**  [GND_VIA#3]  100.83 121.9 90 top
GND_VIA#131  VAL**  [GND_VIA#3]  113.91 123.5 90 top
GND_VIA#132  VAL**  [GND_VIA#3]  110.36 125.88 90 top
GND_VIA#133  VAL**  [GND_VIA#3]  110.36 127.67 90 top
GND_VIA#134  VAL**  [GND_VIA#3]  110.36 128.95 90 top
GND_VIA#135  VAL**  [GND_VIA#3]  111.33 124.93 90 top
GND_VIA#136  VAL**  [GND_VIA#3]  111.33 123.65 90 top
GND_VIA#137  VAL**  [GND_VIA#3]  112.45 124.73 90 top
GND_VIA#138  VAL**  [GND_VIA#3]  111.95 126.39 90 top
GND_VIA#139  VAL**  [GND_VIA#3]  115.29 132.58 270 top
GND_VIA#140  VAL**  [GND_VIA#3]  115.28 131.01 270 top
GND_VIA#141  VAL**  [GND_VIA#3]  115.27 129.52 270 top
GND_VIA#142  VAL**  [GND_VIA#3]  114.22 134.93 90 top
GND_VIA#143  VAL**  [GND_VIA#3]  110.36 130.52 90 top
GND_VIA#144  VAL**  [GND_VIA#3]  110.36 132.09 90 top
GND_VIA#145  VAL**  [GND_VIA#3]  109.2 135.23 90 top
GND_VIA#146  VAL**  [GND_VIA#3]  108.08 133.66 90 top
GND_VIA#147  VAL**  [GND_VIA#3]  108.08 132.09 90 top
GND_VIA#148  VAL**  [GND_VIA#3]  108.08 130.52 90 top
GND_VIA#149  VAL**  [GND_VIA#3]  108.08 128.95 90 top
GND_VIA#150  VAL**  [GND_VIA#3]  108.08 127.34 90 top
GND_VIA#151  VAL**  [GND_VIA#3]  108.08 125.78 90 top
GND_VIA#152  VAL**  [GND_VIA#3]  106.53 127.35 90 top
GND_VIA#153  VAL**  [GND_VIA#3]  105.89 130.75 90 top
GND_VIA#154  VAL**  [GND_VIA#3]  105.95 133.33 90 top
GND_VIA#155  VAL**  [GND_VIA#3]  105.89 135.82 90 top
GND_VIA#156  VAL**  [GND_VIA#3]  108.07 136.81 90 top
GND_VIA#157  VAL**  [GND_VIA#3]  108.61 120.84 90 top
GND_VIA#158  VAL**  [GND_VIA#3]  108.64 122.17 90 top
GND_VIA#159  VAL**  [GND_VIA#3]  109.33 121.53 90 top
GND_VIA#160  VAL**  [GND_VIA#3]  110.02 120.9 90 top
GND_VIA#161  VAL**  [GND_VIA#3]  110.04 122.22 90 top
GND_VIA#162  VAL**  [GND_VIA#3]  108.33 118.62 90 top
GND_VIA#163  VAL**  [GND_VIA#3]  108.33 117.06 90 top
GND_VIA#164  VAL**  [GND_VIA#3]  108.33 115.48 90 top
GND_VIA#165  VAL**  [GND_VIA#3]  108.33 113.9 90 top
GND_VIA#166  VAL**  [GND_VIA#3]  108.39 112.73 90 top
GND_VIA#167  VAL**  [GND_VIA#3]  108.33 110.61 90 top
GND_VIA#168  VAL**  [GND_VIA#3]  108.33 109.17 90 top
GND_VIA#169  VAL**  [GND_VIA#3]  110.58 109.12 90 top
GND_VIA#170  VAL**  [GND_VIA#3]  110.68 110.61 90 top
GND_VIA#171  VAL**  [GND_VIA#3]  110.68 112.79 90 top
GND_VIA#172  VAL**  [GND_VIA#3]  110.67 113.91 90 top
GND_VIA#173  VAL**  [GND_VIA#3]  110.67 115.49 90 top
GND_VIA#174  VAL**  [GND_VIA#3]  110.67 117.05 90 top
GND_VIA#175  VAL**  [GND_VIA#3]  110.67 118.62 90 top
GND_VIA#176  VAL**  [GND_VIA#3]  111.45 112.56 90 top
GND_VIA#177  VAL**  [GND_VIA#3]  112.96 115.71 90 top
GND_VIA#178  VAL**  [GND_VIA#3]  112.96 116.84 90 top
GND_VIA#179  VAL**  [GND_VIA#3]  112.92 119.34 90 top
GND_VIA#180  VAL**  [GND_VIA#3]  114.76 113.31 90 top
GND_VIA#181  VAL**  [GND_VIA#3]  112.68 129.47 270 top
GND_VIA#182  VAL**  [GND_VIA#3]  112.69 131.05 270 top
GND_VIA#183  VAL**  [GND_VIA#3]  112.69 132.63 270 top
GND_VIA#184  VAL**  [GND_VIA#3]  102.23 123.28 90 top
GND_VIA#185  VAL**  [GND_VIA#3]  101.52 122.58 90 top
GND_VIA#186  VAL**  [GND_VIA#3]  102.2 121.96 90 top
GND_VIA#187  VAL**  [GND_VIA#3]  100.82 123.23 90 top
GND_VIA#188  VAL**  [GND_VIA#3]  99.29 122.59 90 top
GND_VIA#189  VAL**  [GND_VIA#3]  99.3 124.17 90 top
GND_VIA#190  VAL**  [GND_VIA#3]  99.28 119.35 90 top
GND_VIA#191  VAL**  [GND_VIA#3]  99.29 117.21 90 top
GND_VIA#192  VAL**  [GND_VIA#3]  96.36 119.38 90 top
GND_VIA#193  VAL**  [GND_VIA#3]  96.5 122.37 90 top
GND_VIA#194  VAL**  [GND_VIA#3]  96.89 118.48 90 top
GND_VIA#195  VAL**  [GND_VIA#3]  96.9 120.06 90 top
GND_VIA#196  VAL**  [GND_VIA#3]  96.92 121.18 90 top
GND_VIA#197  VAL**  [GND_VIA#3]  96.91 123.12 90 top
GND_VIA#198  VAL**  [GND_VIA#3]  96.9 124.77 90 top
GND_VIA#199  VAL**  [GND_VIA#3]  96.9 126.34 90 top
GND_VIA#200  VAL**  [GND_VIA#3]  102.77 114.32 90 top
GND_VIA#201  VAL**  [GND_VIA#3]  104.2 108.82 90 top
GND_VIA#202  VAL**  [GND_VIA#3]  106.6 113.26 90 top
GND_VIA#203  VAL**  [GND_VIA#3]  106.72 110.58 90 top
GND_VIA#204  VAL**  [GND_VIA#3]  109.34 107.59 90 top
GND_VIA#205  VAL**  [GND_VIA#3]  103.18 107.6 90 top
GND_VIA#206  VAL**  [GND_VIA#3]  101.41 110.76 90 top
GND_VIA#207  VAL**  [GND_VIA#3]  101.39 112.55 90 top
GND_VIA#208  VAL**  [GND_VIA#3]  96.88 115.32 90 top
GND_VIA#209  VAL**  [GND_VIA#3]  95.39 115.64 90 top
GND_VIA#210  VAL**  [GND_VIA#3]  99.44 110.67 90 top
GND_VIA#211  VAL**  [GND_VIA#3]  34.37 123.21 90 top
GND_VIA#212  VAL**  [GND_VIA#3]  35.06 122.57 90 top
GND_VIA#213  VAL**  [GND_VIA#3]  35.76 123.28 90 top
GND_VIA#214  VAL**  [GND_VIA#3]  35.76 121.96 90 top
GND_VIA#215  VAL**  [GND_VIA#3]  34.36 121.89 90 top
GND_VIA#216  VAL**  [GND_VIA#3]  32.86 119.35 90 top
GND_VIA#217  VAL**  [GND_VIA#3]  32.84 117.2 90 top
GND_VIA#218  VAL**  [GND_VIA#3]  30.45 115.33 90 top
GND_VIA#219  VAL**  [GND_VIA#3]  30.45 116.88 90 top
GND_VIA#220  VAL**  [GND_VIA#3]  30.44 118.48 90 top
GND_VIA#221  VAL**  [GND_VIA#3]  30.44 120.05 90 top
GND_VIA#222  VAL**  [GND_VIA#3]  30.44 121.63 90 top
GND_VIA#223  VAL**  [GND_VIA#3]  30.44 123.19 90 top
GND_VIA#224  VAL**  [GND_VIA#3]  30.44 124.7 90 top
GND_VIA#225  VAL**  [GND_VIA#3]  30.41 126.51 90 top
GND_VIA#226  VAL**  [GND_VIA#3]  32.84 122.58 90 top
GND_VIA#227  VAL**  [GND_VIA#3]  32.84 124.16 90 top
GND_VIA#228  VAL**  [GND_VIA#3]  36.3 128.46 90 top
